# Altium PCB PCB5.PcbDoc (part 11 of 16) (continued)
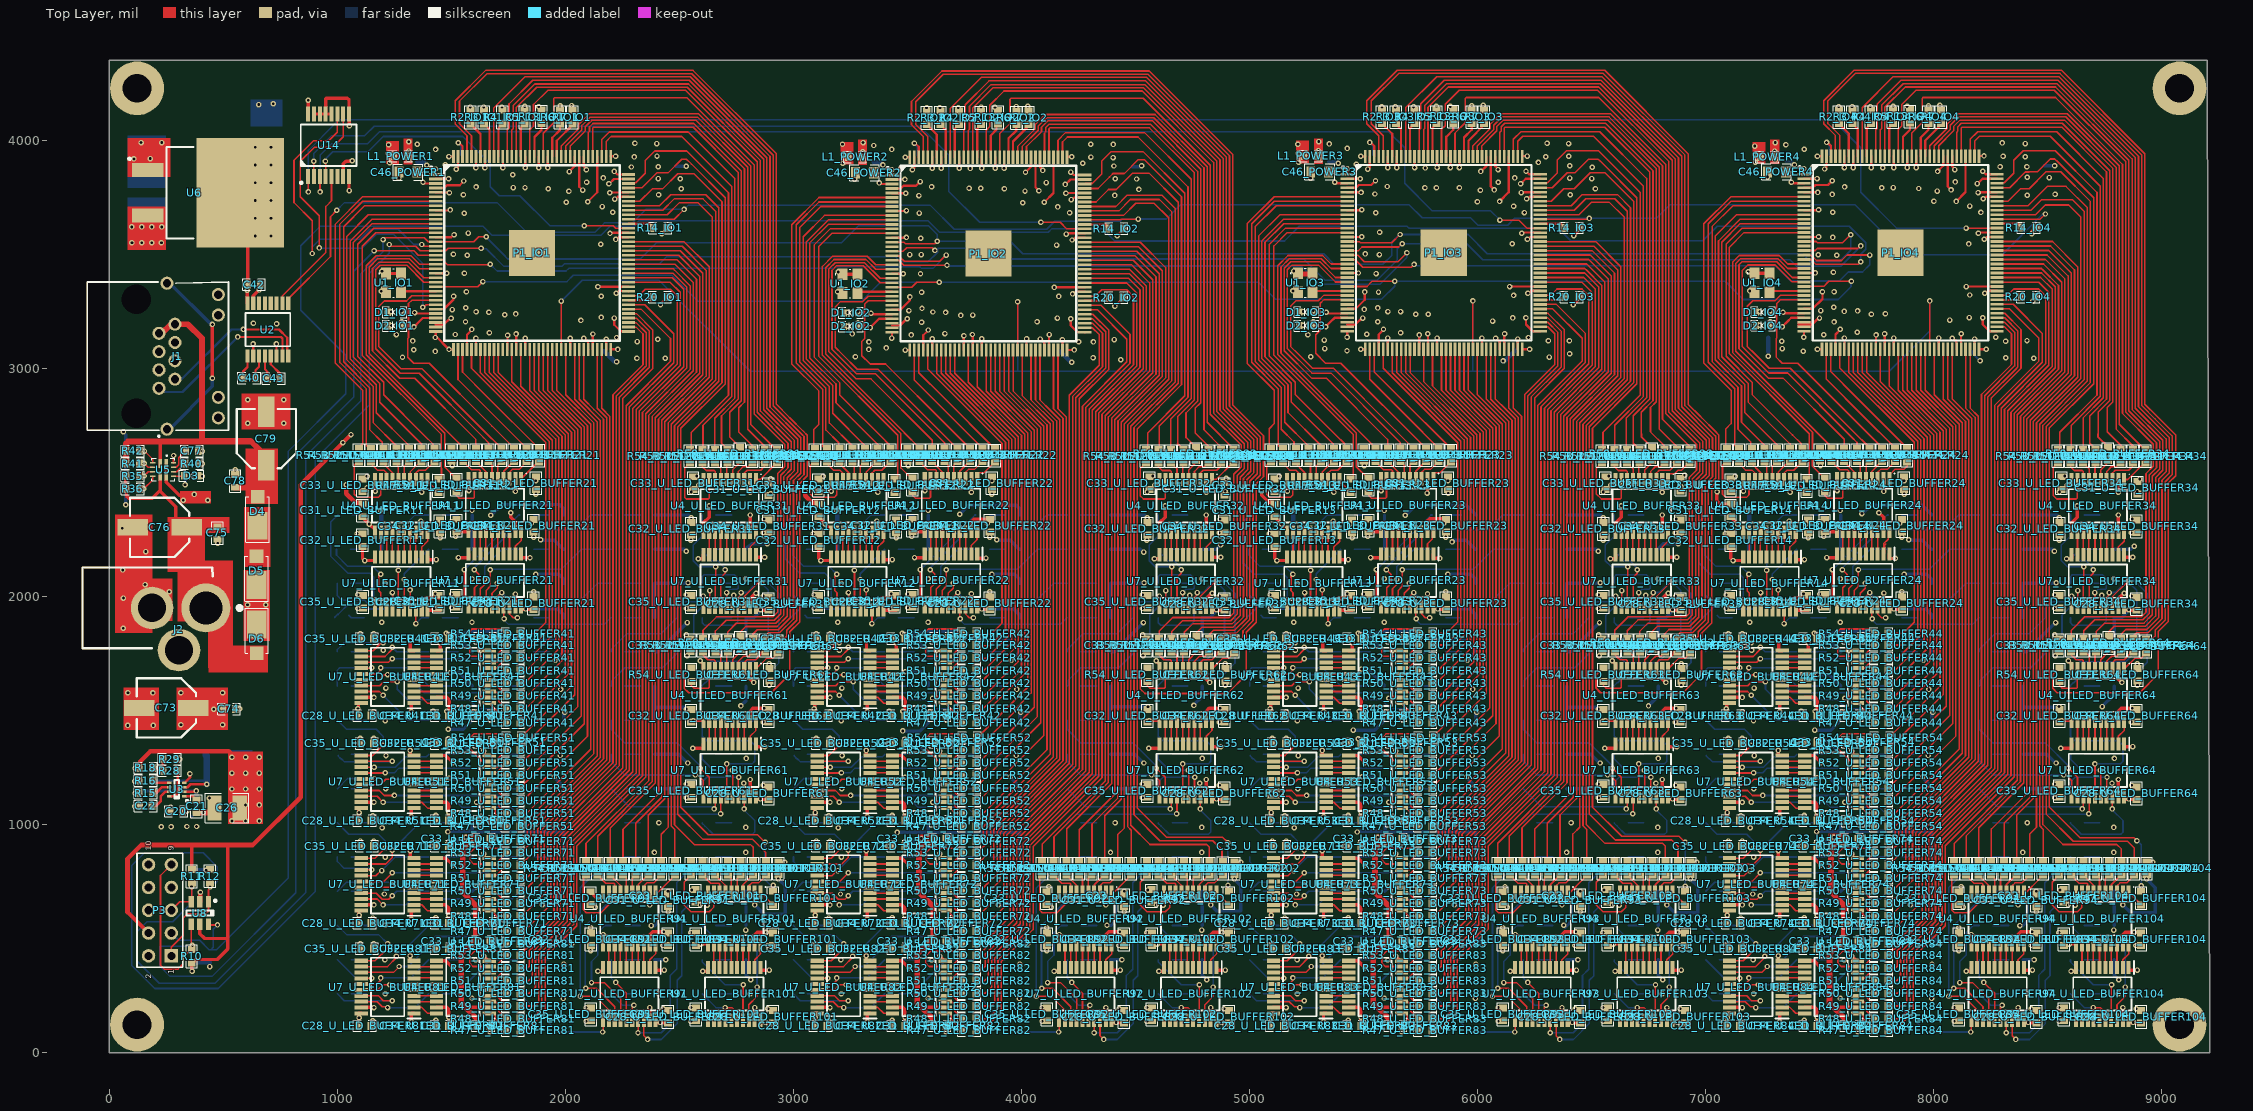
[diagram p0: Top Layer view]
## Nets (pads, with @x,y where several pads share a name; then routed paths per layer and width w, separated by ;. In a path a pad name is that pad's centre, name@x,y a point inside that pad or via, vN(x,y) a via of type N, cw(c..) or ccw(c..) an arc to the next point about the centre after c; other vN are vias at no path point) (continued)
NetD13_U_LED_BUFFER53_2: D13_U_LED_BUFFER53.2 R45_U_LED_BUFFER53.1 | length 68.5
  Bottom Layer w7: R45_U_LED_BUFFER53.1@5060.63,1307.16 D13_U_LED_BUFFER53.2@5129.14,1307.16
NetD13_U_LED_BUFFER54_2: D13_U_LED_BUFFER54.2 R45_U_LED_BUFFER54.1 | length 68.5
  Bottom Layer w7: R45_U_LED_BUFFER54.1@7060.63,1307.16 D13_U_LED_BUFFER54.2@7129.14,1307.16
NetD13_U_LED_BUFFER61_2: D13_U_LED_BUFFER61.2 R45_U_LED_BUFFER61.1 | length 68.5
  Bottom Layer w7: R45_U_LED_BUFFER61.1@2260.63,1457.16 D13_U_LED_BUFFER61.2@2329.14,1457.16
NetD13_U_LED_BUFFER62_2: D13_U_LED_BUFFER62.2 R45_U_LED_BUFFER62.1 | length 68.5
  Bottom Layer w7: R45_U_LED_BUFFER62.1@4260.63,1457.16 D13_U_LED_BUFFER62.2@4329.14,1457.16
NetD13_U_LED_BUFFER63_2: D13_U_LED_BUFFER63.2 R45_U_LED_BUFFER63.1 | length 68.5
  Bottom Layer w7: R45_U_LED_BUFFER63.1@6260.63,1457.16 D13_U_LED_BUFFER63.2@6329.14,1457.16
NetD13_U_LED_BUFFER64_2: D13_U_LED_BUFFER64.2 R45_U_LED_BUFFER64.1 | length 68.5
  Bottom Layer w7: R45_U_LED_BUFFER64.1@8260.63,1457.16 D13_U_LED_BUFFER64.2@8329.14,1457.16
NetD13_U_LED_BUFFER71_2: D13_U_LED_BUFFER71.2 R45_U_LED_BUFFER71.1 | length 68.5
  Bottom Layer w7: R45_U_LED_BUFFER71.1@1460.63,1007.16 D13_U_LED_BUFFER71.2@1529.14,1007.16
NetD13_U_LED_BUFFER72_2: D13_U_LED_BUFFER72.2 R45_U_LED_BUFFER72.1 | length 68.5
  Bottom Layer w7: R45_U_LED_BUFFER72.1@3460.63,1007.16 D13_U_LED_BUFFER72.2@3529.14,1007.16
NetD13_U_LED_BUFFER73_2: D13_U_LED_BUFFER73.2 R45_U_LED_BUFFER73.1 | length 68.5
  Bottom Layer w7: R45_U_LED_BUFFER73.1@5460.63,1007.16 D13_U_LED_BUFFER73.2@5529.14,1007.16
NetD13_U_LED_BUFFER74_2: D13_U_LED_BUFFER74.2 R45_U_LED_BUFFER74.1 | length 68.5
  Bottom Layer w7: R45_U_LED_BUFFER74.1@7460.63,1007.16 D13_U_LED_BUFFER74.2@7529.14,1007.16
NetD13_U_LED_BUFFER81_2: D13_U_LED_BUFFER81.2 R45_U_LED_BUFFER81.1 | length 68.5
  Bottom Layer w7: R45_U_LED_BUFFER81.1@1460.63,557.16 D13_U_LED_BUFFER81.2@1529.14,557.16
NetD13_U_LED_BUFFER82_2: D13_U_LED_BUFFER82.2 R45_U_LED_BUFFER82.1 | length 68.5
  Bottom Layer w7: R45_U_LED_BUFFER82.1@3460.63,557.16 D13_U_LED_BUFFER82.2@3529.14,557.16
NetD13_U_LED_BUFFER83_2: D13_U_LED_BUFFER83.2 R45_U_LED_BUFFER83.1 | length 68.5
  Bottom Layer w7: R45_U_LED_BUFFER83.1@5460.63,557.16 D13_U_LED_BUFFER83.2@5529.14,557.16
NetD13_U_LED_BUFFER84_2: D13_U_LED_BUFFER84.2 R45_U_LED_BUFFER84.1 | length 68.5
  Bottom Layer w7: R45_U_LED_BUFFER84.1@7460.63,557.16 D13_U_LED_BUFFER84.2@7529.14,557.16
NetD13_U_LED_BUFFER91_2: D13_U_LED_BUFFER91.2 R45_U_LED_BUFFER91.1 | length 68.5
  Bottom Layer w7: R45_U_LED_BUFFER91.1@2260.63,857.16 D13_U_LED_BUFFER91.2@2329.14,857.16
NetD13_U_LED_BUFFER92_2: D13_U_LED_BUFFER92.2 R45_U_LED_BUFFER92.1 | length 68.5
  Bottom Layer w7: R45_U_LED_BUFFER92.1@4260.63,857.16 D13_U_LED_BUFFER92.2@4329.14,857.16
NetD13_U_LED_BUFFER93_2: D13_U_LED_BUFFER93.2 R45_U_LED_BUFFER93.1 | length 68.5
  Bottom Layer w7: R45_U_LED_BUFFER93.1@6260.63,857.16 D13_U_LED_BUFFER93.2@6329.14,857.16
NetD13_U_LED_BUFFER94_2: D13_U_LED_BUFFER94.2 R45_U_LED_BUFFER94.1 | length 68.5
  Bottom Layer w7: R45_U_LED_BUFFER94.1@8260.63,857.16 D13_U_LED_BUFFER94.2@8329.14,857.16
NetD13_U_LED_BUFFER101_2: 
NetD13_U_LED_BUFFER102_2: 
NetD13_U_LED_BUFFER103_2: 
NetD13_U_LED_BUFFER104_2: 
NetD14_U_LED_BUFFER11_2: D14_U_LED_BUFFER11.2 R46_U_LED_BUFFER11.1 | length 68.5
  Bottom Layer w7: R46_U_LED_BUFFER11.1@1063.33,2357.99 D14_U_LED_BUFFER11.2@1131.83,2357.99
NetD14_U_LED_BUFFER12_2: D14_U_LED_BUFFER12.2 R46_U_LED_BUFFER12.1 | length 68.5
  Bottom Layer w7: R46_U_LED_BUFFER12.1@3063.33,2357.99 D14_U_LED_BUFFER12.2@3131.83,2357.99
NetD14_U_LED_BUFFER13_2: D14_U_LED_BUFFER13.2 R46_U_LED_BUFFER13.1 | length 68.5
  Bottom Layer w7: R46_U_LED_BUFFER13.1@5063.33,2357.99 D14_U_LED_BUFFER13.2@5131.83,2357.99
NetD14_U_LED_BUFFER14_2: D14_U_LED_BUFFER14.2 R46_U_LED_BUFFER14.1 | length 68.5
  Bottom Layer w7: R46_U_LED_BUFFER14.1@7063.33,2357.99 D14_U_LED_BUFFER14.2@7131.83,2357.99
NetD14_U_LED_BUFFER21_2: D14_U_LED_BUFFER21.2 R46_U_LED_BUFFER21.1 | length 68.5
  Bottom Layer w7: R46_U_LED_BUFFER21.1@1860.63,2357.16 D14_U_LED_BUFFER21.2@1929.14,2357.16
NetD14_U_LED_BUFFER22_2: D14_U_LED_BUFFER22.2 R46_U_LED_BUFFER22.1 | length 68.5
  Bottom Layer w7: R46_U_LED_BUFFER22.1@3860.63,2357.16 D14_U_LED_BUFFER22.2@3929.14,2357.16
NetD14_U_LED_BUFFER23_2: D14_U_LED_BUFFER23.2 R46_U_LED_BUFFER23.1 | length 68.5
  Bottom Layer w7: R46_U_LED_BUFFER23.1@5860.63,2357.16 D14_U_LED_BUFFER23.2@5929.14,2357.16
NetD14_U_LED_BUFFER24_2: D14_U_LED_BUFFER24.2 R46_U_LED_BUFFER24.1 | length 68.5
  Bottom Layer w7: R46_U_LED_BUFFER24.1@7860.63,2357.16 D14_U_LED_BUFFER24.2@7929.14,2357.16
NetD14_U_LED_BUFFER31_2: D14_U_LED_BUFFER31.2 R46_U_LED_BUFFER31.1 | length 68.5
  Bottom Layer w7: R46_U_LED_BUFFER31.1@2260.63,1757.16 D14_U_LED_BUFFER31.2@2329.14,1757.16
NetD14_U_LED_BUFFER32_2: D14_U_LED_BUFFER32.2 R46_U_LED_BUFFER32.1 | length 68.5
  Bottom Layer w7: R46_U_LED_BUFFER32.1@4260.63,1757.16 D14_U_LED_BUFFER32.2@4329.14,1757.16
NetD14_U_LED_BUFFER33_2: D14_U_LED_BUFFER33.2 R46_U_LED_BUFFER33.1 | length 68.5
  Bottom Layer w7: R46_U_LED_BUFFER33.1@6260.63,1757.16 D14_U_LED_BUFFER33.2@6329.14,1757.16
NetD14_U_LED_BUFFER34_2: D14_U_LED_BUFFER34.2 R46_U_LED_BUFFER34.1 | length 68.5
  Bottom Layer w7: R46_U_LED_BUFFER34.1@8260.63,1757.16 D14_U_LED_BUFFER34.2@8329.14,1757.16
NetD14_U_LED_BUFFER41_2: D14_U_LED_BUFFER41.2 R46_U_LED_BUFFER41.1 | length 68.5
  Bottom Layer w7: R46_U_LED_BUFFER41.1@1060.63,1757.16 D14_U_LED_BUFFER41.2@1129.14,1757.16
NetD14_U_LED_BUFFER42_2: D14_U_LED_BUFFER42.2 R46_U_LED_BUFFER42.1 | length 68.5
  Bottom Layer w7: R46_U_LED_BUFFER42.1@3060.63,1757.16 D14_U_LED_BUFFER42.2@3129.14,1757.16
NetD14_U_LED_BUFFER43_2: D14_U_LED_BUFFER43.2 R46_U_LED_BUFFER43.1 | length 68.5
  Bottom Layer w7: R46_U_LED_BUFFER43.1@5060.63,1757.16 D14_U_LED_BUFFER43.2@5129.14,1757.16
NetD14_U_LED_BUFFER44_2: D14_U_LED_BUFFER44.2 R46_U_LED_BUFFER44.1 | length 68.5
  Bottom Layer w7: R46_U_LED_BUFFER44.1@7060.63,1757.16 D14_U_LED_BUFFER44.2@7129.14,1757.16
NetD14_U_LED_BUFFER51_2: D14_U_LED_BUFFER51.2 R46_U_LED_BUFFER51.1 | length 68.5
  Bottom Layer w7: R46_U_LED_BUFFER51.1@1060.63,1457.16 D14_U_LED_BUFFER51.2@1129.14,1457.16
NetD14_U_LED_BUFFER52_2: D14_U_LED_BUFFER52.2 R46_U_LED_BUFFER52.1 | length 68.5
  Bottom Layer w7: R46_U_LED_BUFFER52.1@3060.63,1457.16 D14_U_LED_BUFFER52.2@3129.14,1457.16
NetD14_U_LED_BUFFER53_2: D14_U_LED_BUFFER53.2 R46_U_LED_BUFFER53.1 | length 68.5
  Bottom Layer w7: R46_U_LED_BUFFER53.1@5060.63,1457.16 D14_U_LED_BUFFER53.2@5129.14,1457.16
NetD14_U_LED_BUFFER54_2: D14_U_LED_BUFFER54.2 R46_U_LED_BUFFER54.1 | length 68.5
  Bottom Layer w7: R46_U_LED_BUFFER54.1@7060.63,1457.16 D14_U_LED_BUFFER54.2@7129.14,1457.16
NetD14_U_LED_BUFFER61_2: D14_U_LED_BUFFER61.2 R46_U_LED_BUFFER61.1 | length 68.5
  Bottom Layer w7: R46_U_LED_BUFFER61.1@2260.63,1307.16 D14_U_LED_BUFFER61.2@2329.14,1307.16
NetD14_U_LED_BUFFER62_2: D14_U_LED_BUFFER62.2 R46_U_LED_BUFFER62.1 | length 68.5
  Bottom Layer w7: R46_U_LED_BUFFER62.1@4260.63,1307.16 D14_U_LED_BUFFER62.2@4329.14,1307.16
NetD14_U_LED_BUFFER63_2: D14_U_LED_BUFFER63.2 R46_U_LED_BUFFER63.1 | length 68.5
  Bottom Layer w7: R46_U_LED_BUFFER63.1@6260.63,1307.16 D14_U_LED_BUFFER63.2@6329.14,1307.16
NetD14_U_LED_BUFFER64_2: D14_U_LED_BUFFER64.2 R46_U_LED_BUFFER64.1 | length 68.5
  Bottom Layer w7: R46_U_LED_BUFFER64.1@8260.63,1307.16 D14_U_LED_BUFFER64.2@8329.14,1307.16
NetD14_U_LED_BUFFER71_2: D14_U_LED_BUFFER71.2 R46_U_LED_BUFFER71.1 | length 68.5
  Bottom Layer w7: R46_U_LED_BUFFER71.1@1060.63,1007.16 D14_U_LED_BUFFER71.2@1129.14,1007.16
NetD14_U_LED_BUFFER72_2: D14_U_LED_BUFFER72.2 R46_U_LED_BUFFER72.1 | length 68.5
  Bottom Layer w7: R46_U_LED_BUFFER72.1@3060.63,1007.16 D14_U_LED_BUFFER72.2@3129.14,1007.16
NetD14_U_LED_BUFFER73_2: D14_U_LED_BUFFER73.2 R46_U_LED_BUFFER73.1 | length 68.5
  Bottom Layer w7: R46_U_LED_BUFFER73.1@5060.63,1007.16 D14_U_LED_BUFFER73.2@5129.14,1007.16
NetD14_U_LED_BUFFER74_2: D14_U_LED_BUFFER74.2 R46_U_LED_BUFFER74.1 | length 68.5
  Bottom Layer w7: R46_U_LED_BUFFER74.1@7060.63,1007.16 D14_U_LED_BUFFER74.2@7129.14,1007.16
NetD14_U_LED_BUFFER81_2: D14_U_LED_BUFFER81.2 R46_U_LED_BUFFER81.1 | length 68.5
  Bottom Layer w7: R46_U_LED_BUFFER81.1@1060.63,557.16 D14_U_LED_BUFFER81.2@1129.14,557.16
NetD14_U_LED_BUFFER82_2: D14_U_LED_BUFFER82.2 R46_U_LED_BUFFER82.1 | length 68.5
  Bottom Layer w7: R46_U_LED_BUFFER82.1@3060.63,557.16 D14_U_LED_BUFFER82.2@3129.14,557.16
NetD14_U_LED_BUFFER83_2: D14_U_LED_BUFFER83.2 R46_U_LED_BUFFER83.1 | length 68.5
  Bottom Layer w7: R46_U_LED_BUFFER83.1@5060.63,557.16 D14_U_LED_BUFFER83.2@5129.14,557.16
NetD14_U_LED_BUFFER84_2: D14_U_LED_BUFFER84.2 R46_U_LED_BUFFER84.1 | length 68.5
  Bottom Layer w7: R46_U_LED_BUFFER84.1@7060.63,557.16 D14_U_LED_BUFFER84.2@7129.14,557.16
NetD14_U_LED_BUFFER91_2: D14_U_LED_BUFFER91.2 R46_U_LED_BUFFER91.1 | length 68.5
  Bottom Layer w7: R46_U_LED_BUFFER91.1@1860.63,257.16 D14_U_LED_BUFFER91.2@1929.14,257.16
NetD14_U_LED_BUFFER92_2: D14_U_LED_BUFFER92.2 R46_U_LED_BUFFER92.1 | length 68.5
  Bottom Layer w7: R46_U_LED_BUFFER92.1@3860.63,257.16 D14_U_LED_BUFFER92.2@3929.14,257.16
NetD14_U_LED_BUFFER93_2: D14_U_LED_BUFFER93.2 R46_U_LED_BUFFER93.1 | length 68.5
  Bottom Layer w7: R46_U_LED_BUFFER93.1@5860.63,257.16 D14_U_LED_BUFFER93.2@5929.14,257.16
NetD14_U_LED_BUFFER94_2: D14_U_LED_BUFFER94.2 R46_U_LED_BUFFER94.1 | length 68.5
  Bottom Layer w7: R46_U_LED_BUFFER94.1@7860.63,257.16 D14_U_LED_BUFFER94.2@7929.14,257.16
NetD14_U_LED_BUFFER101_2: 
NetD14_U_LED_BUFFER102_2: 
NetD14_U_LED_BUFFER103_2: 
NetD14_U_LED_BUFFER104_2: 
NetP1_IO1_15: P1_IO1.15 R1_IO1.2 | length 85.1
  Top Layer w10: P1_IO1.15@1431.34,3575.01 1499.18,3575.01 1509.82,3585.64 v1(1512.04,3585.64)
NetP1_IO1_121: P1_IO1.121 R7_IO1.2 | length 174.1
  Top Layer w10: P1_IO1.121@1962.37,3928.87 1962.37,3997.9 2036.33,4071.87 R7_IO1.2@2036.83,4071.87
NetP1_IO1_122: P1_IO1.122 R6_IO1.2 | length 157.1
  Top Layer w10: P1_IO1.122@1942.68,3928.87 1942.68,4011.57 1976.83,4045.72 R6_IO1.2@1976.83,4071.87
NetP1_IO1_126: P1_IO1.126 R13_IO1.2 | length 158.2
  Top Layer w10: P1_IO1.126@1863.94,3928.87 1864.64,3929.56 1864.64,4014.45 1895.83,4045.64 R13_IO1.2@1895.83,4073.87
NetP1_IO1_129: P1_IO1.129 R5_IO1.2 | length 150
  Top Layer w10: P1_IO1.129@1804.89,3928.87 1804.89,4054.92 R5_IO1.2@1821.83,4071.87
NetP1_IO1_134: P1_IO1.134 R4_IO1.2 | length 150.6
  Top Layer w10: P1_IO1.134@1706.46,3928.87 1706.46,4053.5 R4_IO1.2@1724.83,4071.87
NetP1_IO1_136: P1_IO1.136 R3_IO1.2 | length 152.6
  Top Layer w10: R3_IO1.2@1643.83,4071.87 1667.09,4048.61 P1_IO1.136@1667.09,3928.87
NetP1_IO1_138: P1_IO1.138 R2_IO1.2 | length 161.2
  Top Layer w10: R2_IO1.2@1583.83,4071.87 1627.72,4027.98 P1_IO1.138@1627.72,3928.87
NetP1_IO2_15: P1_IO2.15 R1_IO2.2 | length 64.2
  Top Layer w10: P1_IO2.15@3432.44,3572.41 3494.18,3572.41 v1(3495.93,3574.16)
NetP1_IO2_121: P1_IO2.121 R7_IO2.2 | length 174.1
  Top Layer w10: P1_IO2.121@3963.47,3926.27 3963.47,3995.3 4037.43,4069.27 R7_IO2.2@4037.93,4069.27
NetP1_IO2_122: P1_IO2.122 R6_IO2.2 | length 157.1
  Top Layer w10: P1_IO2.122@3943.78,3926.27 3943.78,4008.97 3977.93,4043.12 R6_IO2.2@3977.93,4069.27
NetP1_IO2_126: P1_IO2.126 R13_IO2.2 | length 158.2
  Top Layer w10: P1_IO2.126@3865.04,3926.27 3865.74,3926.96 3865.74,4021.68 3891.19,4047.12 3891.19,4065.52 R13_IO2.2@3896.93,4071.27
NetP1_IO2_129: P1_IO2.129 R5_IO2.2 | length 150
  Top Layer w10: P1_IO2.129@3805.99,3926.27 3805.99,4052.32 R5_IO2.2@3822.93,4069.27
NetP1_IO2_134: P1_IO2.134 R4_IO2.2 | length 150.6
  Top Layer w10: P1_IO2.134@3707.56,3926.27 3707.56,4050.9 R4_IO2.2@3725.93,4069.27
NetP1_IO2_136: P1_IO2.136 R3_IO2.2 | length 152.6
  Top Layer w10: R3_IO2.2@3644.93,4069.27 3668.19,4046.01 P1_IO2.136@3668.19,3926.27
NetP1_IO2_138: P1_IO2.138 R2_IO2.2 | length 161.2
  Top Layer w10: R2_IO2.2@3584.93,4069.27 3628.82,4025.38 P1_IO2.138@3628.82,3926.27
NetP1_IO3_15: P1_IO3.15 R1_IO3.2 | length 64.2
  Top Layer w10: P1_IO3.15@5429.34,3575.86 5491.08,3575.86 v1(5492.83,3577.6)
NetP1_IO3_121: P1_IO3.121 R7_IO3.2 | length 174.1
  Top Layer w10: P1_IO3.121@5960.37,3929.72 5960.37,3998.75 6034.33,4072.72 R7_IO3.2@6034.83,4072.72
NetP1_IO3_122: P1_IO3.122 R6_IO3.2 | length 157.1
  Top Layer w10: P1_IO3.122@5940.68,3929.72 5940.68,4012.42 5974.83,4046.57 R6_IO3.2@5974.83,4072.72
NetP1_IO3_126: P1_IO3.126 R13_IO3.2 | length 158.2
  Top Layer w10: P1_IO3.126@5861.94,3929.72 5862.64,3930.41 5862.64,4015.3 5893.83,4046.49 R13_IO3.2@5893.83,4074.72
NetP1_IO3_129: P1_IO3.129 R5_IO3.2 | length 150
  Top Layer w10: P1_IO3.129@5802.89,3929.72 5802.89,4055.77 R5_IO3.2@5819.83,4072.72
NetP1_IO3_134: P1_IO3.134 R4_IO3.2 | length 150.6
  Top Layer w10: P1_IO3.134@5704.46,3929.72 5704.46,4054.34 R4_IO3.2@5722.83,4072.72
NetP1_IO3_136: P1_IO3.136 R3_IO3.2 | length 152.6
  Top Layer w10: R3_IO3.2@5641.83,4072.72 5665.09,4049.46 P1_IO3.136@5665.09,3929.72
NetP1_IO3_138: P1_IO3.138 R2_IO3.2 | length 161.2
  Top Layer w10: R2_IO3.2@5581.83,4072.72 5625.72,4028.83 P1_IO3.138@5625.72,3929.72
NetP1_IO4_15: P1_IO4.15 R1_IO4.2 | length 64.2
  Top Layer w10: P1_IO4.15@7432.34,3576.01 7494.08,3576.01 v1(7495.83,3577.76)
NetP1_IO4_121: P1_IO4.121 R7_IO4.2 | length 174.1
  Top Layer w10: P1_IO4.121@7963.37,3929.87 7963.37,3998.9 8037.33,4072.87 R7_IO4.2@8037.83,4072.87
NetP1_IO4_122: P1_IO4.122 R6_IO4.2 | length 157.1
  Top Layer w10: P1_IO4.122@7943.68,3929.87 7943.68,4012.57 7977.83,4046.72 R6_IO4.2@7977.83,4072.87
NetP1_IO4_126: P1_IO4.126 R13_IO4.2 | length 158.2
  Top Layer w10: P1_IO4.126@7864.94,3929.87 7865.64,3930.56 7865.64,4015.45 7896.83,4046.64 R13_IO4.2@7896.83,4074.87
NetP1_IO4_129: P1_IO4.129 R5_IO4.2 | length 150
  Top Layer w10: P1_IO4.129@7805.89,3929.87 7805.89,4055.92 R5_IO4.2@7822.83,4072.87
NetP1_IO4_134: P1_IO4.134 R4_IO4.2 | length 150.6
  Top Layer w10: P1_IO4.134@7707.46,3929.87 7707.46,4054.5 R4_IO4.2@7725.83,4072.87
NetP1_IO4_136: P1_IO4.136 R3_IO4.2 | length 152.6
  Top Layer w10: R3_IO4.2@7644.83,4072.87 7668.09,4049.61 P1_IO4.136@7668.09,3929.87
NetP1_IO4_138: P1_IO4.138 R2_IO4.2 | length 161.2
  Top Layer w10: R2_IO4.2@7584.83,4072.87 7628.72,4028.98 P1_IO4.138@7628.72,3929.87
NetR15_1: R15.1 U3.6 | length 84.2
  Top Layer w12: R15.1@190.02,1137.02 204.1,1137.02 230.62,1163.55 U3.6@263.24,1163.55
NetR16_1: R16.1 U3.5 | length 76.9
  Top Layer w12: R16.1@190.02,1192.13 198.92,1183.23 U3.5@263.24,1183.23
NetR28_2: R28.2 U3.8 | length 149.9
  Top Layer w12: U3.8@263.24,1124.18 263.28,1124.13 288.18,1124.13 300.64,1136.59 R28.2@300.64,1243.95
NetR35_2: R35.2 R38.2 U5.5 | length 46.3
  Top Layer w7: v1(152.58,2528.14) 170.96,2546.52 U5.5@191.29,2546.52
NetR36_1: R36.1 R39.1 U5.6 | length 71.6
  Top Layer w7: v1(151.08,2471.94) 191.29,2512.14 U5.6@191.29,2526.84
NetR40_1: R40.1 U5.10 | length 66
  Top Layer w7: U5.10@281.84,2546.52 296.5,2546.52 R40.1@332.78,2582.81
NetR41_2: R41.2 R43.2 U5.4 | length 46
  Top Layer w7: v1(152.38,2583.34) 169.51,2566.21 U5.4@191.29,2566.21
NetR42_1: R42.1 R44.1 U5.3 | length 66.7
  Top Layer w7: v1(154.48,2637.34) 191.29,2600.54 U5.3@191.29,2585.89
NetR47_U_LED_BUFFER11_1: R47_U_LED_BUFFER11.1 U4_U_LED_BUFFER11.1 | length 77.4
  Top Layer w7: U4_U_LED_BUFFER11.1@1395.79,2512.83 1395.79,2506.54 1443.9,2458.43 R47_U_LED_BUFFER11.1@1443.9,2455.34
NetR47_U_LED_BUFFER12_1: R47_U_LED_BUFFER12.1 U4_U_LED_BUFFER12.1 | length 77.4
  Top Layer w7: U4_U_LED_BUFFER12.1@3395.79,2512.83 3395.79,2506.54 3443.9,2458.43 R47_U_LED_BUFFER12.1@3443.9,2455.34
NetR47_U_LED_BUFFER13_1: R47_U_LED_BUFFER13.1 U4_U_LED_BUFFER13.1 | length 77.4
  Top Layer w7: U4_U_LED_BUFFER13.1@5395.79,2512.83 5395.79,2506.54 5443.9,2458.43 R47_U_LED_BUFFER13.1@5443.9,2455.34
NetR47_U_LED_BUFFER14_1: R47_U_LED_BUFFER14.1 U4_U_LED_BUFFER14.1 | length 77.4
  Top Layer w7: U4_U_LED_BUFFER14.1@7395.79,2512.83 7395.79,2506.54 7443.9,2458.43 R47_U_LED_BUFFER14.1@7443.9,2455.34
NetR47_U_LED_BUFFER21_1: R47_U_LED_BUFFER21.1 U4_U_LED_BUFFER21.1 | length 107.8
  Top Layer w7: U4_U_LED_BUFFER21.1@1806.39,2516.17 1878.68,2588.47 R47_U_LED_BUFFER21.1@1884.27,2588.47
NetR47_U_LED_BUFFER22_1: R47_U_LED_BUFFER22.1 U4_U_LED_BUFFER22.1 | length 119.7
  Top Layer w7: U4_U_LED_BUFFER22.1@3806.39,2516.17 3806.39,2536.35 3811.74,2541.71 3835.01,2541.71 3881.77,2588.47 R47_U_LED_BUFFER22.1@3884.27,2588.47
NetR47_U_LED_BUFFER23_1: R47_U_LED_BUFFER23.1 U4_U_LED_BUFFER23.1 | length 119.7
  Top Layer w7: U4_U_LED_BUFFER23.1@5806.39,2516.17 5806.39,2536.35 5811.74,2541.71 5835.01,2541.71 5881.77,2588.47 R47_U_LED_BUFFER23.1@5884.27,2588.47
NetR47_U_LED_BUFFER24_1: R47_U_LED_BUFFER24.1 U4_U_LED_BUFFER24.1 | length 128
  Top Layer w7: U4_U_LED_BUFFER24.1@7806.39,2516.17 7806.39,2532.92 7830.63,2557.17 7870.63,2557.17 7884.27,2570.8 R47_U_LED_BUFFER24.1@7884.27,2588.47
NetR47_U_LED_BUFFER31_1: R47_U_LED_BUFFER31.1 U4_U_LED_BUFFER31.1 | length 123.6
  Top Layer w7: U4_U_LED_BUFFER31.1@2835.79,2512.83 2854.47,2512.83 2927.43,2585.79 R47_U_LED_BUFFER31.1@2929.2,2585.79
NetR47_U_LED_BUFFER32_1: R47_U_LED_BUFFER32.1 U4_U_LED_BUFFER32.1 | length 123.6
  Top Layer w7: U4_U_LED_BUFFER32.1@4835.79,2512.83 4853.74,2512.83 4926.7,2585.79 R47_U_LED_BUFFER32.1@4929.2,2585.79
NetR47_U_LED_BUFFER33_1: R47_U_LED_BUFFER33.1 U4_U_LED_BUFFER33.1 | length 135.5
  Top Layer w7: U4_U_LED_BUFFER33.1@6835.79,2512.83 6835.79,2533.01 6841.15,2538.37 6863.82,2538.37 6879.23,2553.78 6894.69,2553.78 6926.7,2585.79 R47_U_LED_BUFFER33.1@6929.2,2585.79
NetR47_U_LED_BUFFER34_1: R47_U_LED_BUFFER34.1 U4_U_LED_BUFFER34.1 | length 123.6
  Top Layer w7: U4_U_LED_BUFFER34.1@8835.79,2512.83 8852.1,2512.83 8913.56,2574.29 8917.7,2574.29 R47_U_LED_BUFFER34.1@8929.2,2585.79
NetR47_U_LED_BUFFER41_1: R47_U_LED_BUFFER41.1 U4_U_LED_BUFFER41.1 | length 115.6
  Top Layer w7: U4_U_LED_BUFFER41.1@1666.3,1532.01 1740.63,1457.68 R47_U_LED_BUFFER41.1@1740.63,1447.16
NetR47_U_LED_BUFFER42_1: R47_U_LED_BUFFER42.1 U4_U_LED_BUFFER42.1 | length 115.6
  Top Layer w7: U4_U_LED_BUFFER42.1@3666.3,1532.01 3740.63,1457.68 R47_U_LED_BUFFER42.1@3740.63,1447.16
NetR47_U_LED_BUFFER43_1: R47_U_LED_BUFFER43.1 U4_U_LED_BUFFER43.1 | length 115.6
  Top Layer w7: U4_U_LED_BUFFER43.1@5666.3,1532.01 5740.63,1457.68 R47_U_LED_BUFFER43.1@5740.63,1447.16
NetR47_U_LED_BUFFER44_1: R47_U_LED_BUFFER44.1 U4_U_LED_BUFFER44.1 | length 115.6
  Top Layer w7: U4_U_LED_BUFFER44.1@7666.3,1532.01 7740.63,1457.68 R47_U_LED_BUFFER44.1@7740.63,1447.16
NetR47_U_LED_BUFFER51_1: R47_U_LED_BUFFER51.1 U4_U_LED_BUFFER51.1 | length 122.2
  Top Layer w7: U4_U_LED_BUFFER51.1@1666.3,1072.01 1686.48,1072.01 1691.84,1066.65 1691.84,1048.16 1730,1010 1730,1001.88 R47_U_LED_BUFFER51.1@1739.83,992.06
NetR47_U_LED_BUFFER52_1: R47_U_LED_BUFFER52.1 U4_U_LED_BUFFER52.1 | length 122.2
  Top Layer w7: U4_U_LED_BUFFER52.1@3666.3,1072.01 3686.48,1072.01 3710.08,1048.4 3710.08,1024.3 3739.83,994.56 R47_U_LED_BUFFER52.1@3739.83,992.06
NetR47_U_LED_BUFFER53_1: R47_U_LED_BUFFER53.1 U4_U_LED_BUFFER53.1 | length 122.2
  Top Layer w7: U4_U_LED_BUFFER53.1@5666.3,1072.01 5686.48,1072.01 5713.13,1045.35 5713.13,1021.25 5739.83,994.56 R47_U_LED_BUFFER53.1@5739.83,992.06
NetR47_U_LED_BUFFER54_1: R47_U_LED_BUFFER54.1 U4_U_LED_BUFFER54.1 | length 122.2
  Top Layer w7: U4_U_LED_BUFFER54.1@7666.3,1072.01 7686.48,1072.01 7713.13,1045.35 7713.13,1021.25 7739.83,994.56 R47_U_LED_BUFFER54.1@7739.83,992.06
NetR47_U_LED_BUFFER61_1: R47_U_LED_BUFFER61.1 U4_U_LED_BUFFER61.1 | length 123.7
  Top Layer w7: U4_U_LED_BUFFER61.1@2835.79,1682.83 2836.3,1682.83 2881.76,1728.3 2908.48,1728.3 R47_U_LED_BUFFER61.1@2931.24,1751.05
NetR47_U_LED_BUFFER62_1: R47_U_LED_BUFFER62.1 U4_U_LED_BUFFER62.1 | length 123.7
  Top Layer w7: U4_U_LED_BUFFER62.1@4835.79,1682.83 4836.3,1682.83 4881.76,1728.3 4908.48,1728.3 R47_U_LED_BUFFER62.1@4931.24,1751.05
NetR47_U_LED_BUFFER63_1: R47_U_LED_BUFFER63.1 U4_U_LED_BUFFER63.1 | length 123.7
  Top Layer w7: U4_U_LED_BUFFER63.1@6835.79,1682.83 6836.3,1682.83 6881.76,1728.3 6908.48,1728.3 R47_U_LED_BUFFER63.1@6931.24,1751.05
NetR47_U_LED_BUFFER64_1: R47_U_LED_BUFFER64.1 U4_U_LED_BUFFER64.1 | length 123.7
  Top Layer w7: U4_U_LED_BUFFER64.1@8835.79,1682.83 8836.3,1682.83 8881.76,1728.3 8908.48,1728.3 R47_U_LED_BUFFER64.1@8931.24,1751.05
NetR47_U_LED_BUFFER71_1: R47_U_LED_BUFFER71.1 U4_U_LED_BUFFER71.1 | length 126.2
  Top Layer w7: U4_U_LED_BUFFER71.1@1666.3,622.01 1675.79,622.01 1710.63,587.16 1710.63,562.92 R47_U_LED_BUFFER71.1@1741.15,532.39
NetR47_U_LED_BUFFER72_1: R47_U_LED_BUFFER72.1 U4_U_LED_BUFFER72.1 | length 126.2
  Top Layer w7: U4_U_LED_BUFFER72.1@3666.3,622.01 3675.79,622.01 3710.63,587.16 3710.63,562.92 R47_U_LED_BUFFER72.1@3741.15,532.39
NetR47_U_LED_BUFFER73_1: R47_U_LED_BUFFER73.1 U4_U_LED_BUFFER73.1 | length 126.2
  Top Layer w7: U4_U_LED_BUFFER73.1@5666.3,622.01 5675.79,622.01 5710.63,587.16 5710.63,562.92 R47_U_LED_BUFFER73.1@5741.15,532.39
NetR47_U_LED_BUFFER74_1: R47_U_LED_BUFFER74.1 U4_U_LED_BUFFER74.1 | length 126.2
  Top Layer w7: U4_U_LED_BUFFER74.1@7666.3,622.01 7675.79,622.01 7710.63,587.16 7710.63,562.92 R47_U_LED_BUFFER74.1@7741.15,532.39
NetR47_U_LED_BUFFER81_1: R47_U_LED_BUFFER81.1 U4_U_LED_BUFFER81.1 | length 117.5
  Top Layer w7: U4_U_LED_BUFFER81.1@1666.3,172.01 1686.48,172.01 1691.84,166.65 1691.84,148.46 1740.63,99.66 R47_U_LED_BUFFER81.1@1740.63,97.16
NetR47_U_LED_BUFFER82_1: R47_U_LED_BUFFER82.1 U4_U_LED_BUFFER82.1 | length 118.9
  Top Layer w7: U4_U_LED_BUFFER82.1@3666.3,172.01 3686.48,172.01 3691.84,166.65 3691.84,145.96 3726.63,111.16 3729.13,111.16 3740.63,99.66 R47_U_LED_BUFFER82.1@3740.63,97.16
NetR47_U_LED_BUFFER83_1: R47_U_LED_BUFFER83.1 U4_U_LED_BUFFER83.1 | length 117.5
  Top Layer w7: U4_U_LED_BUFFER83.1@5666.3,172.01 5686.48,172.01 5691.84,166.65 5691.84,148.46 5740.63,99.66 R47_U_LED_BUFFER83.1@5740.63,97.16
NetR47_U_LED_BUFFER84_1: R47_U_LED_BUFFER84.1 U4_U_LED_BUFFER84.1 | length 117.5
  Top Layer w7: U4_U_LED_BUFFER84.1@7666.3,172.01 7686.48,172.01 7691.84,166.65 7691.84,148.46 7740.63,99.66 R47_U_LED_BUFFER84.1@7740.63,97.16
NetR47_U_LED_BUFFER91_1: R47_U_LED_BUFFER91.1 U4_U_LED_BUFFER91.1 | length 115.6
  Top Layer w7: U4_U_LED_BUFFER91.1@2395.79,702.83 2406.3,702.83 2462.17,758.71 R47_U_LED_BUFFER91.1@2480.63,777.16
NetR47_U_LED_BUFFER92_1: R47_U_LED_BUFFER92.1 U4_U_LED_BUFFER92.1 | length 115.6
  Top Layer w7: U4_U_LED_BUFFER92.1@4395.79,702.83 4406.3,702.83 4462.17,758.71 R47_U_LED_BUFFER92.1@4480.63,777.16
NetR47_U_LED_BUFFER93_1: R47_U_LED_BUFFER93.1 U4_U_LED_BUFFER93.1 | length 115.6
  Top Layer w7: U4_U_LED_BUFFER93.1@6395.79,702.83 6406.3,702.83 6462.17,758.71 R47_U_LED_BUFFER93.1@6480.63,777.16
NetR47_U_LED_BUFFER94_1: R47_U_LED_BUFFER94.1 U4_U_LED_BUFFER94.1 | length 115.6
  Top Layer w7: U4_U_LED_BUFFER94.1@8395.79,702.83 8406.3,702.83 8462.17,758.71 R47_U_LED_BUFFER94.1@8480.63,777.16
NetR47_U_LED_BUFFER101_1: R47_U_LED_BUFFER101.1 U4_U_LED_BUFFER101.1 | length 78.4
  Top Layer w7: U4_U_LED_BUFFER101.1@2855.79,702.83 2910.63,647.99 R47_U_LED_BUFFER101.1@2910.63,647.16
NetR47_U_LED_BUFFER102_1: R47_U_LED_BUFFER102.1 U4_U_LED_BUFFER102.1 | length 78.4
  Top Layer w7: U4_U_LED_BUFFER102.1@4855.79,702.83 4910.63,647.99 R47_U_LED_BUFFER102.1@4910.63,647.16
NetR47_U_LED_BUFFER103_1: R47_U_LED_BUFFER103.1 U4_U_LED_BUFFER103.1 | length 78.4
  Top Layer w7: U4_U_LED_BUFFER103.1@6855.79,702.83 6910.63,647.99 R47_U_LED_BUFFER103.1@6910.63,647.16
NetR47_U_LED_BUFFER104_1: R47_U_LED_BUFFER104.1 U4_U_LED_BUFFER104.1 | length 78.4
  Top Layer w7: U4_U_LED_BUFFER104.1@8855.79,702.83 8910.63,647.99 R47_U_LED_BUFFER104.1@8910.63,647.16
NetR48_U_LED_BUFFER11_1: R48_U_LED_BUFFER11.1 U4_U_LED_BUFFER11.3 | length 122.9
  Top Layer w7: U4_U_LED_BUFFER11.3@1344.61,2512.83 1344.61,2541.14 1357.16,2553.7 1387.16,2553.7 1419.52,2586.05 R48_U_LED_BUFFER11.1@1419.52,2587.16
NetR48_U_LED_BUFFER12_1: R48_U_LED_BUFFER12.1 U4_U_LED_BUFFER12.3 | length 122.9
  Top Layer w7: U4_U_LED_BUFFER12.3@3344.61,2512.83 3344.61,2541.14 3357.16,2553.7 3387.16,2553.7 3419.52,2586.05 R48_U_LED_BUFFER12.1@3419.52,2587.16
NetR48_U_LED_BUFFER13_1: R48_U_LED_BUFFER13.1 U4_U_LED_BUFFER13.3 | length 122.9
  Top Layer w7: U4_U_LED_BUFFER13.3@5344.61,2512.83 5344.61,2541.14 5357.16,2553.7 5387.16,2553.7 5419.52,2586.05 R48_U_LED_BUFFER13.1@5419.52,2587.16
NetR48_U_LED_BUFFER14_1: R48_U_LED_BUFFER14.1 U4_U_LED_BUFFER14.3 | length 122.9
  Top Layer w7: U4_U_LED_BUFFER14.3@7344.61,2512.83 7344.61,2541.14 7357.16,2553.7 7387.16,2553.7 7419.52,2586.05 R48_U_LED_BUFFER14.1@7419.52,2587.16
NetR48_U_LED_BUFFER21_1: R48_U_LED_BUFFER21.1 U4_U_LED_BUFFER21.3 | length 122.9
  Top Layer w7: U4_U_LED_BUFFER21.3@1755.2,2516.17 1755.2,2544.48 1767.76,2557.03 1797.76,2557.03 1830.12,2589.39 R48_U_LED_BUFFER21.1@1830.12,2590.5
NetR48_U_LED_BUFFER22_1: R48_U_LED_BUFFER22.1 U4_U_LED_BUFFER22.3 | length 122.3
  Top Layer w7: U4_U_LED_BUFFER22.3@3755.2,2516.17 3755.2,2544.48 3767.76,2557.03 3794.15,2557.03 3827.62,2590.5 R48_U_LED_BUFFER22.1@3830.12,2590.5
NetR48_U_LED_BUFFER23_1: R48_U_LED_BUFFER23.1 U4_U_LED_BUFFER23.3 | length 122.3
  Top Layer w7: U4_U_LED_BUFFER23.3@5755.2,2516.17 5755.2,2544.48 5767.76,2557.03 5794.15,2557.03 5827.62,2590.5 R48_U_LED_BUFFER23.1@5830.12,2590.5
NetR48_U_LED_BUFFER24_1: R48_U_LED_BUFFER24.1 U4_U_LED_BUFFER24.3 | length 122.3
  Top Layer w7: U4_U_LED_BUFFER24.3@7755.2,2516.17 7755.2,2544.48 7767.76,2557.03 7796.65,2557.03 R48_U_LED_BUFFER24.1@7830.12,2590.5
NetR48_U_LED_BUFFER31_1: R48_U_LED_BUFFER31.1 U4_U_LED_BUFFER31.3 | length 146
  Top Layer w7: U4_U_LED_BUFFER31.3@2784.61,2512.83 2784.61,2541.14 2797.16,2553.7 2856.48,2553.7 2871.63,2568.85 2871.63,2582.94 R48_U_LED_BUFFER31.1@2874.49,2585.79 ; R48_U_LED_BUFFER31.1@2859.52,2586.05 R48_U_LED_BUFFER31.1@2859.52,2587.16
NetR48_U_LED_BUFFER32_1: R48_U_LED_BUFFER32.1 U4_U_LED_BUFFER32.3 | length 146
  Top Layer w7: U4_U_LED_BUFFER32.3@4784.61,2512.83 4784.61,2541.14 4797.16,2553.7 4856.48,2553.7 4871.63,2568.85 4871.63,2582.94 R48_U_LED_BUFFER32.1@4874.49,2585.79 ; R48_U_LED_BUFFER32.1@4859.52,2586.05 R48_U_LED_BUFFER32.1@4859.52,2587.16
NetR48_U_LED_BUFFER33_1: R48_U_LED_BUFFER33.1 U4_U_LED_BUFFER33.3 | length 140.2
  Top Layer w7: U4_U_LED_BUFFER33.3@6784.61,2512.83 6784.61,2541.14 6797.16,2553.7 6844.04,2553.7 6860.49,2570.14 6860.49,2574.29 6871.99,2585.79 R48_U_LED_BUFFER33.1@6874.49,2585.79 ; R48_U_LED_BUFFER33.1@6859.52,2586.05 R48_U_LED_BUFFER33.1@6859.52,2587.16
NetR48_U_LED_BUFFER34_1: R48_U_LED_BUFFER34.1 U4_U_LED_BUFFER34.3 | length 146
  Top Layer w7: U4_U_LED_BUFFER34.3@8784.61,2512.83 8784.61,2541.14 8797.16,2553.7 8856.48,2553.7 8871.63,2568.85 8871.63,2582.94 R48_U_LED_BUFFER34.1@8874.49,2585.79 ; R48_U_LED_BUFFER34.1@8859.52,2586.05 R48_U_LED_BUFFER34.1@8859.52,2587.16
NetR48_U_LED_BUFFER41_1: R48_U_LED_BUFFER41.1 U4_U_LED_BUFFER41.3 | length 122.9
  Top Layer w7: U4_U_LED_BUFFER41.3@1666.3,1583.19 1694.61,1583.19 1707.16,1570.63 1707.16,1540.63 1739.52,1508.28 R48_U_LED_BUFFER41.1@1740.63,1508.28
NetR48_U_LED_BUFFER42_1: R48_U_LED_BUFFER42.1 U4_U_LED_BUFFER42.3 | length 122.9
  Top Layer w7: U4_U_LED_BUFFER42.3@3666.3,1583.19 3694.61,1583.19 3707.16,1570.63 3707.16,1540.63 3739.52,1508.28 R48_U_LED_BUFFER42.1@3740.63,1508.28